# Allegro board C000PD020-3399PRO-DMEB-A-A01.brd (continued)
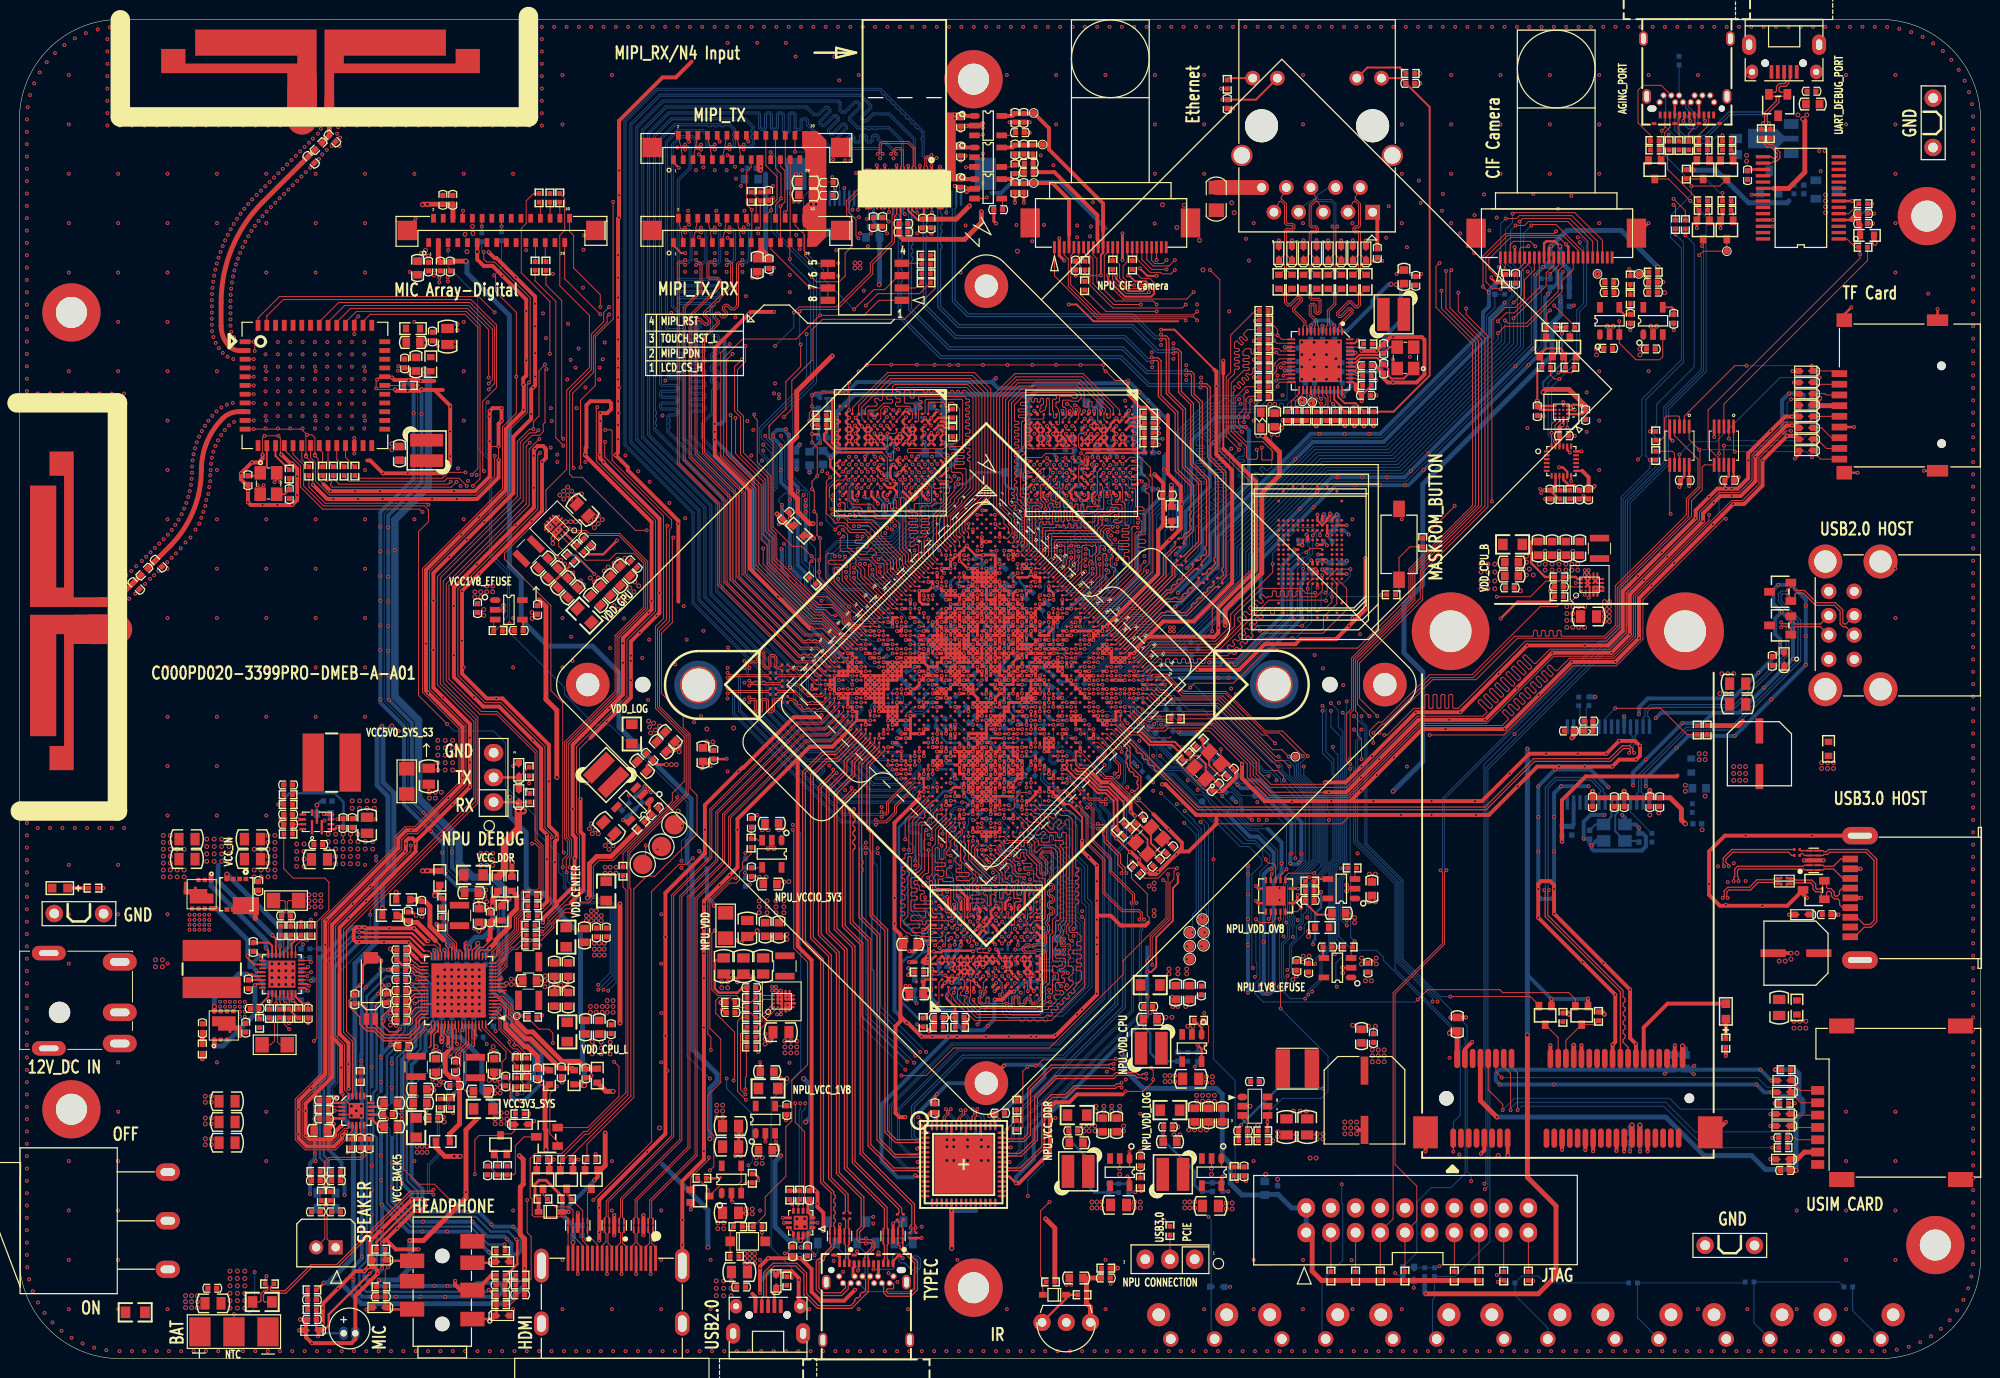
[diagram p0: board, top side]
## Routing (per net, layer and track width the routed paths; a pad name or vN(x,y) marks a point on that pad's centre or on a via; arc(x,y) is an arc through that point) (continued)
VCC_BUCK5_P: length 11.4
  TOP w0.102: C2125.1 40.52,27.33 v1(40.87,26.99)
  TOP w0.152: U?.59 44.84,33.97 44.93,33.87 44.93,32.5 v1(45.03,32.4)
  BOTTOM w0.102: v1(45.03,32.4) 44.86,32.57 44.02,32.57 43.56,32.12 43.56,30.29 42.6,29.32 41.78,29.32 40.87,28.41 v1(40.87,26.99)
VCC_BUCK5_S3: length 30.6
  TOP w0.152: U?.22 46.59,41.97 47.17,42.56 v2(47.17,42.73) ; v1(43.74,42.05) 43.74,41.97 43.79,41.92 U?.30
  TOP w0.508: R2272.1 63.64,54.43 60.88,51.67 59.41,51.67 58.65,50.91 58.65,47.61 v2(58.45,47.41)
  POWER2 w0.508: v2(58.45,47.41) 58.14,47.71 52.25,47.71 51.64,48.32 49.81,48.32 49.3,47.81 49.3,44.16 48.18,43.04 47.47,43.04 v2(47.17,42.73)
  BOTTOM w0.508: v2(47.17,42.73) 47.17,41.58 C2103.1 ; v1(43.74,42.05) 44.02,41.77 C2111.1
  vias: v2(40.92,21.83) v2(40.92,21.22) v2(41.43,21.83) v2(41.43,21.22) v2(41.94,21.83) v2(41.94,21.22) v2(75.82,20.69) v2(75.82,20.08) v2(76.43,20.69) v2(76.43,20.08) v2(132.82,20.64) v2(133.43,20.64) v2(138.91,47) v2(139.52,47)
VCC_CHARGE: length 3.7
  TOP w0.102: R2011.1 26.82,32.29 26.54,32.57 26.54,34.85 R2014.1
VCC_CPVDD: length 2.2
  TOP w0.152: C2135.1 39.92,40.19 40.52,40.19 40.92,39.79 41.07,39.79 41.23,39.63 41.69,39.63 U?.38
VCC_CPVSS: length 2.5
  TOP w0.152: U?.35 41.37,40.68 40.92,41.13 40.92,41.13
  TOP w0.381: C2136.1 40.01,42.05 40.92,41.13
VCC_DDR_P: length 9.8
  TOP w0.102: U?.26 45.19,41.74 44.98,41.95 44.98,42.76 44.07,43.67 44.07,45.83 43.87,46.04 43.87,46.97 R2112.2 43.71,47.37 43.87,47.53 43.87,49.87 44.07,50.07
VCC_DDR_S3: length 131.2
  TOP w0.102: U3600.H5 109.95,94.76 ; U3600.H3 109.96,96.43 109.95,96.43 ; U3600.D5 112.56,94.83 112.56,94.83 ; U3601.G2 90.26,96.56 U3601.H3 ; U3601.L5 88.31,94.89 v1(87.99,95.21) ; U3600.G5 110.6,94.76 ; U3600.D4 112.56,95.63 112.56,95.63 ; 111.25,97.16 U3600.F2 ; 109.95,93.96 U3600.H6
  TOP w0.201: v1(89.28,88.34) 89.21,88.34 88.82,88.73 88.82,89.07 U3601.K12 ; 105.36,89.11 105.36,88.61 105.7,88.27 v1(105.74,88.27)
  TOP w0.203: U3600.C12 113.25,89.11 113.25,88.58 v1(112.91,88.24)
  TOP w0.254: v1(112.88,95.96) 112.56,95.63 112.56,95.48 v1(112.88,95.16) 112.56,94.83 112.56,94.68 v1(112.88,94.36) 112.7,94.18 112.7,94.1 U3600.D6 ; v1(108.42,94.22) 108.42,94.27 108.66,94.51 U3600.K5 108.66,94.83 v1(108.33,95.16) 108.33,95.08 U3600.L5 ; v1(108.42,94.22) 108.42,94.19 U3600.K6 ; v1(108.42,94.22) 108.35,94.22 108.01,94.56 U3600.L5 ; 89.86,89.61 89.36,89.61 U3601.K11 ; 89.86,89.61 U3601.H11 ; 89.86,89.61 90.26,89.22 U3601.H12 90.26,88.79 v1(90.21,88.74) ; U3601.F2 91.28,97.49 v1(91.28,97.61) 91.24,97.61 90.91,97.29 U3601.G2 ; v1(89.94,94.41) 89.61,94.09 U3601.J6 ; v1(89.94,94.41) 90.26,94.09 U3601.H6 90.59,94.34 v1(90.59,94.41) ; v1(89.94,94.41) 89.61,94.74 U3601.J5 ; v1(89.94,94.41) 90.26,94.73 U3601.H5 ; U3601.K8 88.96,92.42 v1(88.62,92.76) ; U3600.A9 114.88,91.55 v1(114.89,91.54) ; v1(86.17,88.29) 85.97,88.29 85.71,88.54 U3601.R12 ; U1000.J14 v1(101.33,77.63) ; v1(101.33,77.63) U1000.J13 ; v1(101.33,77.63) U1000.K13 ; U3600.J5 109.31,94.61 109.54,94.37 109.54,94.35 ; U3601.A11 95.39,90.01 v1(95.43,89.97) ; U3601.H5 v1(90.6,95.15) 90.91,94.84 U3601.G5 90.91,94.73 v1(90.59,94.41) ; U3601.H5 90.59,94.49 v1(90.59,94.41) ; U3601.L5 88.31,94.74 v1(88.64,94.41) ; U3601.L5 88.61,95.11 v1(88.61,95.18) 88.66,95.18 88.96,94.89 U3601.K5 88.96,94.73 v1(88.64,94.41) ; U3601.L5 87.99,95.14 v1(87.99,95.21) ; 109.95,96.43 v1(110.28,96.76) ; 109.54,94.29 109.62,94.29 109.95,93.96 109.95,94.08 v1(110.26,94.39) ; 109.54,94.29 109.54,94.35 ; 109.54,94.29 109.31,94.06 U3600.J6 ; U3601.U8 84.09,92.09 v1(84.09,92.01) 84.41,91.69 U3601.U9 ; v1(92.46,92.82) 92.21,92.58 U3601.E8 ; U3600.E8 111.91,92.54 v1(111.68,92.76) ; U3601.L12 88.31,88.73 v1(88.32,88.73) ; U3600.L2 108.01,97.45 v1(108.06,97.5) ; v1(110.26,94.39) 110.6,94.73 110.6,94.76 ; v1(110.26,94.39) 109.95,94.69 109.95,94.76 ; v1(109.67,91.74) 109.86,91.55 U3600.H9 ; v1(109.67,91.74) 109.91,91.98 109.91,92.3 U3600.H8 109.96,92.68 v1(109.91,92.73) ; v1(109.67,91.74) 109.48,91.55 U3600.J9 ; v1(110.93,95.16) 110.93,95.08 110.6,94.76 ; v1(111.31,97.55) 111.25,97.51 111.25,97.16 ; 87.98,96.88 v1(87.98,96.82) ; 87.98,96.88 87.98,96.89 U3601.M2 ; 87.98,96.88 U3601.L2 ; v1(89.98,90.28) 89.61,90.65 U3601.J10 U3601.J9 89.61,91.68 v1(89.93,92) 90.26,91.67 U3601.H9 ; 109.95,94.76 109.95,94.83 v1(110.28,95.16) 110.28,95.08 110.6,94.76 ; 109.95,94.76 109.92,94.76 109.54,94.38 109.54,94.35 ; v1(88.64,94.41) 88.96,94.09 U3601.K6 ; R3605.1 117.23,95.26 v1(117.27,95.21) ; 103.75,92.35 103.75,91.92 U3600.U9 ; 103.75,92.35 v1(103.74,92.36) ; 103.75,92.35 U3600.U8 ; U3601.C12 v1(93.51,88.9) ; U3600.L5 107.68,95.08 v1(107.68,95.17) ; v1(115.04,90.02) 114.97,89.95 U3600.A11 ; v1(109.58,94.35) 109.54,94.35 ; U3600.G2 110.61,97.47 v1(110.59,97.49) ; v1(107.33,97.53) 107.35,97.51 107.35,97.49 107.36,97.48 U3600.M2 ; U3600.N12 106.71,88.6 v1(106.73,88.57) ; v1(93.13,94.3) 92.86,94.03 U3601.D6 ; U3601.A8 95,92.22 95.23,92.22 ; v1(110.57,88.07) 110.39,88.25 110.39,88.93 U3600.G12 ; 95.23,92.22 95.02,92.01 95.02,91.88 94.81,91.67 U3601.A9 ; 95.23,92.22 95.23,92.22 v1(95.25,92.22) ; v1(108.69,88.32) 108.66,88.34 108.47,88.34 108.23,88.59 108.23,88.93 U3600.L12 108.66,89.8 U3600.K11 ; U3600.A8 114.89,92.35 v1(114.89,92.36) ; U3601.N8 87.01,92.8 v1(87.02,92.81) ; U3601.N12 87.01,88.79 v1(86.92,88.7) ; U3600.K12 108.66,88.98 109.25,88.4 v1(109.25,88.32) 109.27,88.29 109.73,88.29 110.01,88.58 110.01,89.1 U3600.H12 ; v1(85.98,96.01) 85.98,95.97 86.35,95.61 U3601.P4 86.36,95.53 v1(86.04,95.21) 86.36,94.89 U3601.P5 86.36,94.73 v1(86.04,94.41) 86.04,94.34 U3601.P6 ; U3600.N8 v1(106.71,92.74) ; U3600.K8 108.66,92.4 v1(108.34,92.71) ; U3600.R12 105.41,89.15 105.36,89.11 ; v1(111.95,88.72) 111.91,88.77 U3600.E12 ; v1(83.95,89.67) 84.29,90.01 U3601.U11 ; U3600.P6 106.03,93.96 v1(105.79,94.19) 105.79,94.24 106.06,94.5 U3600.P5 106.06,94.83 v1(105.73,95.16) 106.06,95.48 U3600.P4 105.73,95.88 v1(105.73,95.96) ; U3601.D5 92.86,94.89 93.15,95.18 v1(93.15,95.25) 92.86,95.54 U3601.D4 92.86,95.69 v1(93.19,96.01) ; U3600.J10 109.31,90.67 v1(109.6,90.38) 109.96,90.02 U3600.H11 ; R3607.1 v1(81.66,97.08) ; U3601.G12 91.75,88.37 v1(91.89,88.37) 92.04,88.37 92.37,88.7 92.37,89.06 U3601.E12 ; U3600.U11 v1(103.65,89.5)
  TOP w0.305: U1000.M9 v1(98.11,79) U1000.L9 ; U1000.M9 v1(98.11,78.09) ; U1000.M9 v1(97.65,78.54) U1000.N9 ; U1000.J11 v1(100.87,79) U1000.J12 ; U1000.J11 100.41,79 v1(99.95,79) U1000.K11 ; U1000.J11 v1(100.41,79.46) ; v1(98.11,78.09) U1000.N9 ; v1(98.11,78.09) U1000.N10 ; U1000.J15 v1(102.25,77.63) U1000.J14 ; U1000.J15 v1(101.79,77.17) ; U1000.J15 102.71,77.17 v1(102.71,77.17) U1000.J16 ; U1000.N9 v1(97.19,78.09) U1000.P9 v1(97.19,77.17) ; v1(96.27,76.25) U1000.T9 ; v1(96.27,76.25) U1000.U9 ; v1(96.27,76.25) U1000.U10 ; U1000.T9 v1(95.82,76.71) U1000.U9 ; U1000.T9 v1(96.27,77.17) 96.28,77.17 U1000.R9 v1(97.19,77.17) ; v1(94.9,75.79) U1000.V9 95.36,76.19 95.41,76.25 U1000.U9 ; U1000.J17 v1(103.17,76.71) U1000.J16 ; U1000.J17 v1(102.71,76.25) ; U1000.J17 v1(103.63,76.25) U1000.J18 ; U1000.J12 v1(100.87,78.09) ; U1000.J12 101.33,78.54 U1000.J13 ; U3601.H11 89.99,90.28 v1(89.98,90.28) ; v1(90.57,92) 90.57,92.11 U3601.H8 90.54,92.69 v1(90.55,92.69) ; v1(102.71,76.25) U1000.J16 ; v1(102.71,76.25) U1000.K17 ; U1000.L9 98.57,79 v1(99.03,79) U1000.L10 ; U1000.L9 v1(98.57,79.46) ; U1000.K13 v1(100.87,78.09) ; v1(100.87,78.09) U1000.J13 ; v1(97.19,77.17) U1000.R10 ; U1000.J13 v1(101.79,78.09) U1000.J14 ; v1(101.79,77.17) U1000.J14 ; v1(101.79,77.17) U1000.K15
  BOTTOM w0.254: C3627.1 88.98,88.06 v1(88.32,88.73) ; C3631.1 89.93,92 v1(89.93,92) ; R1200.1 98.13,81.51 98.37,81.75 98.98,81.75 C1209.1 ; 109.36,92.2 C3637.1 C3636.1 108.56,92.49 v1(108.34,92.71) 108.55,92.92 C3635.1 ; 109.36,92.2 109.38,92.2 v1(109.91,92.73) ; 109.36,92.2 109.67,91.89 v1(109.67,91.74) ; C3640.1 88.8,92.59 v1(88.62,92.76) ; C3602.1 110.55,96.48 v1(110.28,96.76) ; 105.73,94.71 105.73,95.15 v1(105.73,95.16) ; 105.73,94.71 105.73,94.25 v1(105.79,94.19) ; 105.73,94.71 105.72,94.69 C3604.1 ; C1211.1 100.72,81.91 v1(100.87,81.76) ; v1(86.04,95.21) 86.42,94.83 C3619.1 86.42,94.79 v1(86.04,94.41) ; 112.54,95.62 112.43,95.51 C3605.1 ; 112.54,95.62 v1(112.88,95.96) ; 112.54,95.62 112.54,95.5 v1(112.88,95.16) ; v1(117.63,94.65) 117.42,94.65 117.4,94.67 117.04,94.67 116.79,94.42 116.79,94.38 R3604.1 ; v1(87.02,92.81) 87.31,93.11 C3638.1 ; v1(103.65,89.5) 103.65,89.5 C3632.1 ; C3603.1 112.75,94.49 v1(112.88,94.36) ; C3616.1 90.82,95.37 v1(90.6,95.15) ; v1(89.94,94.41) 89.99,94.36 C3617.1 ; C3641.1 106.5,92.94 v1(106.71,92.74) ; C3630.1 91.9,88.38 v1(91.89,88.37) ; C3620.1 109.34,88.22 v1(109.25,88.32) ; v1(110.57,88.07) 110.95,87.69 C3639.1 ; v1(89.28,88.34) 89.58,88.04 C3607.1 89.94,88.47 v1(90.21,88.74) ; C1201.1 v1(117.17,89.47) ; v1(86.92,88.7) 87.12,88.5 C3629.1 ; C3633.1 95.74,89.66 v1(95.43,89.97) ; C3606.1 107.33,97.37 v1(107.33,97.53) ; v1(93.15,95.25) 93.15,94.96 C3618.1 92.82,94.61 v1(93.13,94.3) 93.2,94.23 C3626.1 92.81,93.17 v1(92.46,92.82) ; C3615.1 92.24,97.8 C3613.1 ; C3628.1 109.29,90.69 v1(109.6,90.38) ; v1(108.42,94.22) 108.37,94.26 C3601.1 ; C3642.1 v1(117.27,93.22)
  BOTTOM w0.305: R3606.1 C3643.1 82.39,94.58 v1(82.39,94.19) 82.18,94.19 C1200.1
  BOTTOM w0.381: C3613.1 92.06,97.61 v1(91.28,97.61) ; C3614.1 87.65,97.34 87.65,97.13 87.96,96.82 v1(87.98,96.82) ; v1(110.59,97.49) 110.59,97.78 C3600.1 111.26,98.26 111.26,97.6 v1(111.31,97.55)
  BOTTOM w0.406: C1209.1 99.17,81.73 v1(99.49,82.05) ; v1(112.19,92.76) 112.27,92.84 C3634.1 112.94,92.92 v1(112.94,92.77) ; R1201.1 101.38,81.25 v1(100.87,81.76)
  vias: v2(47.47,51.98) v2(47.47,51.37) v2(47.47,50.76) v2(48.08,51.98) v2(48.08,51.37) v2(48.08,50.76) v2(48.69,51.98) v2(48.69,51.37) v2(48.69,50.76)
VCC_IN: length 48.3
  TOP w0.203: U2003.22 26.41,41.96 26.38,41.98 26.38,43.2 v1(26.04,43.55)
  S1 w0.102: v1(26.04,43.55) 26.14,43.44 26.75,43.44 28.88,41.31 28.88,36.64 26.95,34.71 26.95,33.89 27.36,33.49 28.07,33.49 28.27,33.69 32.03,33.69 32.84,32.88 41.97,32.88 43.49,34.4 46.98,34.4 48.08,33.3 v1(48.08,32.37)
  BOTTOM w0.102: R2122.1 47.72,32.84 48.08,32.47 v1(48.08,32.37)
  BOTTOM w0.508: v1(26.04,43.55) 20.45,49.13 20.45,50.76
  vias: v2(19.28,53.45) v2(19.28,52.69) v2(19.28,51.93) v2(19.28,51.17) v2(20.04,53.45) v2(20.04,52.69) v2(20.04,51.93) v2(20.04,51.17) v2(20.8,53.45) v2(20.8,52.69) v2(20.8,51.93) v2(20.8,51.17) v2(21.56,53.45) v2(21.56,52.69) v2(21.56,51.93) v2(21.56,51.17) v2(28.52,52.94) v2(28.52,52.18) v2(28.52,51.42) v2(28.52,50.66) v2(29.29,52.94) v2(29.29,52.18) v2(29.29,51.42) v2(29.29,50.66) v2(131.09,25.46) v2(131.8,25.46) v2(132.41,25.46)
VCC_LAN: length 53.6
  TOP w0.203: U6500.44 137.28,103.28 v1(137.49,103.49) 137.3,103.68 U6500.45 ; U6500.21 v1(130.19,101.68) ; U6500.15 v1(130.2,104.08) ; C6506.1 138.11,99.14 R6528.1 ; U6500.6 v1(134.08,106.28) ; 137.49,100.24 137.25,100.48 U6500.37 ; v1(123.63,130.68) R6509.1 ; v1(137.59,102.08) U6500.41
  TOP w0.406: v1(138.11,98.51) C6506.1 137.49,99.74 137.49,100.24 ; v1(137.59,102.08) 138.12,102.08 C6507.1
  TOP w0.508: v1(130.02,96.54) R6532.1 R6533.1 R6534.1 ; R6523.1 R6526.1 R6516.1 v1(136.39,96) ; R6514.1 v1(138.35,95.97)
  POWER2 w0.203: v1(123.63,130.68) 124.28,130.02 124.28,113.55 130.2,107.63 v1(130.2,104.08)
  BOTTOM w0.406: C6511.1 130.21,101.66 v1(130.19,101.68) ; v1(130.2,104.08) 130.28,104 C6510.1 ; v1(134.08,106.28) 134.09,106.28 C6509.1
  BOTTOM w0.508: v1(127.23,98.36) 127.59,98.72 R6531.1 R6530.1 R6527.1 R6521.1 R6518.1 R6525.1 R6529.1 R6512.1
  vias: v2(128.65,98.21) v2(129.16,98.21)
VCC_RTC_S5: length 32.1
  TOP w0.152: 40.22,36.19 40.22,36.7 40.7,37.18 U?.45
  TOP w0.381: 40.22,36.19 v1(40.22,36.17) 39.9,35.85 C2128.2
  POWER1 w0.381: v2(30.61,56.96) 30.81,56.75 32.44,56.75 32.89,56.3 33.29,56.3 34.16,55.43 35.69,55.43 37.62,53.5 37.62,49.34 36.8,48.52 36.8,44.66 38.84,42.63 38.84,37.55 v1(40.22,36.17)
  BOTTOM w0.254: R2004.1 30.59,56.94 v2(30.61,56.96) 31.01,57.36 C2011.1
VCC_RTC_S5_P: length 1.5
  TOP w0.254: v1(31.32,56.04) 31.38,55.98 U2000.6
  BOTTOM w0.254: R2004.2 v1(31.32,56.04)
VCCA3V3_HUB: length 18.3
  TOP w0.406: v1(161.87,58.38) C2806.1 ; v1(165.13,58.38) C2807.1
  TOP w0.508: v1(161.87,58.38) C2806.1 C2810.1 C2807.1 ; v2(171.42,55.03) 171.02,55.43 171.02,56.55 169.86,57.71 C2808.1 C2809.1 ; C2809.1 v1(167.77,58.48) ; C2809.1 C2807.1 ; C2807.1 v1(165.13,58.38)
  BOTTOM w0.406: U2800.10 v1(161.87,58.38) ; U2800.5 v1(165.13,58.38) ; v1(167.77,58.48) 167.73,58.44 U2800.1
VCCIO_3V0_S0: length 169.3
  TOP w0.254: v1(31.32,7.78) 30.61,7.07 R7007.1
  TOP w0.305: v1(54.99,20.48) R8203.1 54.52,20.28 Q8201.1 ; v1(57.53,20.48) R8201.1 56.96,20.28 Q8200.1 ; U1000.AC9 v1(92.6,73.49) ; v1(59.3,21.03) R8205.1
  TOP w0.508: R7011.1 v1(51.97,9.31) 51.97,12.33 51.54,12.76 51.54,17.64 51.84,17.94 51.84,20.48 v1(51.44,20.89) ; v2(54.18,21.5) 54.18,23.53 54.08,23.63 54.08,27.76 R2110.2
  GND2 w0.381: 92.28,73.42 92.35,73.49 v1(92.6,73.49)
  GND2 w0.508: 78.36,67.42 78.05,67.12 78.05,66.1 77.44,65.49 v1(69.42,65.49)
  S1 w0.254: v1(59.3,21.03) 58.08,21.03 v1(57.53,20.48) 56.98,21.03 55.54,21.03 v1(54.99,20.48)
  S1 w0.508: v1(51.44,20.89) 53.57,20.89 v2(54.18,21.5) 54.99,20.69 v1(54.99,20.48) ; v1(69.42,65.49) 68.71,64.78 68.71,62.34 68.2,61.83 57.42,61.83 52.44,66.81 39.04,66.81 v1(37.31,65.09)
  BOTTOM w0.254: v1(92.6,73.49) 92.57,73.47 C1502.1
  BOTTOM w0.508: v1(31.32,7.78) 31.72,7.78 ; 31.72,7.78 34.37,10.42 34.37,23.73 33.45,24.65 33.45,26.27 34.52,27.34 34.52,40.65 36.7,42.84 36.7,49.24 37.92,50.46 37.92,57.87 36.8,58.99 36.8,64.58 v1(37.31,65.09) ; 31.72,7.78 33.05,7.78 35.18,5.65 50.11,5.65 51.97,7.51 v1(51.97,9.31)
VCCIO_3V0_S0_P: length 9.6
  TOP w0.152: 50.06,34.43 49.86,34.63 49.86,34.99 49.07,35.78 48.69,35.78 U?.3
  TOP w0.508: R2110.1 54.4,29.8 C2116.1 53.31,31.07 52.3,32.09 51.99,32.09 50.06,34.02 50.06,34.43
VCCIO_3V3_S0: length 378.5
  TOP w0.203: R9430.1 R9428.1 159.14,106.04 158.72,105.62 v1(158.72,105.47)
  TOP w0.254: C7510.1 31.83,24.71 U7500.5 ; C9005.1 160.82,97.19 159.54,97.19 159.5,97.23 U9001.B1 ; 160.86,97.8 160.5,98.16 159.84,98.16 159.71,98.03 U9001.D1 ; U7500.12 C7512.1
  TOP w0.305: U1000.J23 v1(106.39,73.49)
  TOP w0.406: v1(37.82,24.65) 37.47,25 C7512.1 ; C7510.1 32.31,24.14 v1(32.33,24.14) 31.73,23.54 C7513.1
  TOP w0.508: J7500.3 43.11,113.02 C7503.2 C7505.1 44.42,112.92 v2(45.95,112.92) ; R2115.2 42.84,21.74 43.76,20.81 v2(44.73,20.81) v2(45.34,20.81) ; v2(156.79,99.43) 157.1,99.73 159.44,99.73 161.16,98 C9005.1 ; 128.09,94.85 129.67,93.28 129.67,90.89 127.84,89.06 127.84,80.83 124.08,77.07 v1(124.08,75.45)
  POWER1 w0.508: v1(124.49,107.76) 124.49,95.57 125.3,94.75 127.23,94.75 v2(127.43,94.96) v2(127.94,94.96) 128.14,94.96 128.85,94.24 148.26,94.24 153.44,99.43 v2(156.79,99.43)
  POWER2 w0.508: v1(124.08,75.45) 124.08,73.92 123.27,73.11 116.05,73.11 113.11,76.06 110.36,76.06 ; v1(124.49,107.76) 124.49,107.81 120.98,111.31 120.98,112.84 119.86,113.96 v2(102.69,113.96)
  S1 w0.406: v1(37.82,24.65) 37.49,24.65 37.29,24.45 32.64,24.45 v1(32.33,24.14)
  S1 w0.508: v1(37.82,24.65) 37.82,25.66 38.33,26.17 41.38,26.17 41.68,26.48 44.53,26.48 45.49,25.51 45.49,21.75 44.73,20.99 v2(44.73,20.81) v2(45.34,20.81) 46.63,22.11 56.11,22.11 56.41,21.8 60.38,21.8 61.39,22.82 70.84,22.82 v2(71.04,22.62) ; 76.63,110.5 v1(76.63,113.09) v1(76.63,113.55) ; 76.63,110.5 v2(88.47,110.5) 91.92,113.96 v2(102.69,113.96) ; 76.63,110.5 67.08,110.5 64.76,112.82 46.05,112.82 v2(45.95,112.92)
  BOTTOM w0.203: v2(156.79,99.43) 156.79,100.49 158.72,102.42 v1(158.72,105.47)
  BOTTOM w0.254: v1(106.39,73.49) 106.39,74.77 C1903.1
  BOTTOM w0.305: J5000.19 87.89,117.02 88.36,116.55
  BOTTOM w0.406: v1(76.63,113.09) v1(76.63,113.55)
  BOTTOM w0.508: v2(44.73,20.81) v2(45.34,20.81) ; 76.78,121.88 76.78,113.7 v1(76.63,113.55) ; v2(88.47,110.5) 88.51,110.54 C5002.1 88.36,115.53 C5003.1 88.36,116.55 ; v2(71.04,22.62) 71.04,27.8 71.8,28.56 71.8,29.28 69.22,31.86 69.22,50.56 68.71,51.06 68.71,53.2 69.11,53.6 69.11,57.57 61.7,64.98 61.7,70.57 58.95,73.32 54.38,73.32 51.64,76.06 51.64,80.33 50.42,81.54 50.42,107.35 46.05,111.72 46.05,112.82 v2(45.95,112.92) ; v2(127.94,94.96) v2(127.43,94.96)
  vias: v1(76.28,122.69) v1(76.28,122.29)
VCCIO_3V3_S0_P: length 13.8
  TOP w0.152: 44.56,33.83 44.49,33.91 U?.58
  TOP w0.229: 44.56,33.83 44.56,33.55 44.55,33.54 44.55,31.99 44.17,31.61 44.12,31.61
  TOP w0.508: R2115.1 44.24,22.38 44.24,23.1 45.29,24.14 45.29,27.99 C2121.1 45.18,28.71 44.94,28.95 44.36,28.95 43.82,29.5 43.82,31.3 44.12,31.61
VCCIO_SD_S0: length 334.7
  TOP w0.305: U1000.T23 v1(103.17,70.27)
  TOP w0.508: J9710.1 133.02,12.36 133.02,9 133.98,8.04 R9728.1 R9729.1 R9730.1 R9731.1 R9732.1 R9733.1 ; v2(58.14,28.1) 57.84,28.1 57.72,28.22 R2111.2 ; v2(190.93,114.77) 190.84,114.86 R9702.1
  POWER2 w0.508: v2(58.14,28.1) 58.27,28.23 72.34,28.23 75.41,25.16 77.24,25.16 78.77,23.63 93.5,23.63 94.11,24.24 99.8,24.24 100.2,23.84 101.02,23.84 102.13,24.95 102.95,24.95 109.65,31.66 113.11,31.66 v2(113.41,31.35) 114.22,31.35 116.46,33.59 141.86,33.59 142.47,34.2 150.5,34.2 157.81,41.51 162.89,41.51 181.08,59.7 181.08,69.83 178.64,72.27 178.64,86.56 183.62,91.53 183.62,105.52 190.93,112.84 v2(190.93,114.77)
  GND2 w0.508: 87.91,61.43 86.28,61.43 84.15,59.29 73.99,59.29 v1(72.87,60.41) ; v1(103.17,70.27) 103.05,70.27 103.05,70.27
  S1 w0.508: v1(72.87,60.41) 72.26,59.8 65.56,59.8 64.74,60.62 52.15,60.62 50.47,58.94 v2(50.47,57.77)
  BOTTOM w0.305: v1(103.17,70.27) 103.06,70.38 103.06,70.44
  BOTTOM w0.508: J9710.1 J9710.2 130.9,15.5 129.52,16.88 C9730.1 128.19,16.88 C9731.1 125.8,16.84 124.59,18.04 124.59,20.08 123.77,20.89 123.77,27.19 123.16,27.8 115.65,27.8 113.72,29.73 113.72,31.05 v2(113.41,31.35) ; v2(58.14,28.1) 58.14,30.24 57.94,30.44 57.94,34.61 57.73,34.81 57.73,43.62 55.8,45.55 55.8,45.98 53.87,47.92 52.76,47.92 52.15,48.52 52.15,54.11 50.47,55.79 v2(50.47,57.77)
VCCIO_SD_S0_P: length 11.8
  TOP w0.152: 50.67,34.28 50.67,34.73 50.04,35.37 50.04,35.93 49.48,36.48 48.69,36.48 U?.5
  TOP w0.508: 50.67,34.28 52.04,32.9 52.61,32.9 55.61,29.9 C2119.1 55.8,29.86 56.88,29.86 R2111.1
VDD10_EPHY: length 34.9
  TOP w0.203: U6500.9 v1(132.88,106.3) ; v1(136.27,99.02) 136.08,99.21 U6500.36 ; U6500.3 v1(135.28,106.31) ; U6500.28 v1(132.88,99.08) ; U6500.40 137.47,101.68 v1(137.59,101.56)
  BOTTOM w0.406: v2(141.15,110.55) 141,110.55 140.94,110.5 140.84,110.5 139.22,108.88 139.22,108.37 136.62,105.77 C6518.1 135.31,106.28 v1(135.28,106.31) 134.76,106.83 133.41,106.83 v1(132.88,106.3) 132.87,106.28 C6517.1 ; C6515.1 136.12,99.17 v1(136.27,99.02) ; C6515.1 136.43,99.48 136.97,100.03 C6519.1 v1(137.59,101.56) 139.83,101.56 140.44,102.17 140.44,105.12 142.16,106.84 142.16,109.99 141.71,110.45 141.71,110.5 v2(141.67,110.5) ; C6515.1 C6516.1 132.88,99.09 v1(132.88,99.08)
VDD_CENTER_P: length 0.5
  BOTTOM w0.305: C2156.1 v1(53.57,42.53)
VDD_CENTER_S0: length 81.4
  TOP w0.102: v1(56.92,45.88) 56.11,45.88 54.99,44.77 54.99,44.36 53.67,43.04 v1(52.55,43.04) 52.35,43.04 52.15,42.84 R2150.2 51.66,42.56 51.23,42.12 50.72,42.12 50.17,41.57 50.17,40.32 49.13,39.28 U?.13
  TOP w0.305: v1(99.03,77.17) U1000.N12 v1(99.03,76.25) U1000.P13 v1(99.49,75.79) U1000.P14 v1(99.95,75.33) U1000.P15 ; v1(99.03,77.17) U1000.M12 ; v1(99.03,77.17) U1000.M11 ; v1(99.03,77.17) U1000.N11 98.57,77.63 v1(98.57,77.63) U1000.M11 ; U1000.M11 v1(99.49,77.63) U1000.M12 ; U1000.M11 v1(99.03,78.09) ; U1000.M12 v1(99.95,77.17) U1000.M13 v1(100.41,76.71) U1000.M14 v1(100.87,76.25) U1000.M15
  POWER1 w0.089: 85.59,74.56 86,74.56 87.2,75.75 88.62,75.75 89.54,76.67 92.28,76.67 94.31,74.64
  POWER1 w0.102: v1(56.92,45.88) 57.12,46.09 57.12,50.86 61.44,55.18 61.44,57.72 63.73,60.01 67.08,60.01 68.91,61.83 68.91,65.7 69.72,66.51 70.03,66.51 72.36,68.84 72.36,71.08 75.84,74.56 85.59,74.56
  BOTTOM w0.102: v1(52.55,43.04) 52.35,43.04 52.2,42.89 C2156.2
  vias: v2(58.34,45.58) v2(58.34,45.07) v2(58.85,46.09) v2(58.85,45.58) v2(58.85,45.07) v2(59.36,46.09) v2(59.36,45.58) v2(59.36,45.07) v2(59.87,45.58) v2(59.87,45.07)
VDD_CPU_B_FB: length 73
  TOP w0.102: v1(152.02,78.4) 155.47,78.4 157.1,80.02 158.46,80.02 R2203.1
  TOP w0.254: U2200.A4 160.36,80.21 160.14,80.43 v1(159.44,80.43) R2203.1
  TOP w0.305: U1000.N18 v1(101.79,74.41)
  POWER1 w0.089: 110.16,77.79 107.46,77.79 107.44,77.76 107.17,77.76 107.16,77.78 106.56,77.78 106.54,77.75 106.27,77.75 106.25,77.76 105.67,77.76 104.47,76.57 104.41,76.57 103.8,75.96 103.8,75.96 103.76,75.92 103.49,75.92 103.32,76.1 103.32,76.1 103.3,76.11 103.03,76.11 102.88,75.96 102.88,75.96 102.38,75.46 102.35,75.46 102.11,75.23 102.11,75.19 101.92,75 101.89,75 101.79,74.9 v1(101.79,74.41)
  POWER1 w0.102: 110.16,77.79 119.3,77.79 121.44,79.92 137.49,79.92 142.06,84.49 151.61,84.49 153.14,82.97 153.14,78.6 152.83,78.29 152.12,78.29 v1(152.02,78.4)
  BOTTOM w0.305: v1(159.44,80.43) 158.87,80.43 C2260.1
VDD_CPU_B_P: length 6
  TOP w0.254: R2203.2 v1(157.51,80.43) 156.99,80.43 155.58,81.85 155.58,84.08 155.78,84.29
  BOTTOM w0.305: v1(157.51,80.43) 157.97,80.43 C2260.2
VDD_CPU_B_S0: length 15.6
  TOP w0.305: v1(105.47,72.57) U1000.L23 v1(104.55,72.57) U1000.M22 ; U1000.L18 102.71,74.87 v1(102.25,74.87) U1000.M18 v1(102.71,74.41) ; U1000.L18 v1(103.17,74.87) ; U1000.L18 v1(102.71,75.33) ; U1000.L18 v1(102.71,74.41) ; U1000.M19 v1(102.71,74.41) ; U1000.M19 v1(103.17,73.95) ; U1000.M19 v1(102.71,73.49) ; v1(102.71,74.41) U1000.L19 ; v1(103.17,74.87) U1000.K19 v1(103.63,75.33) ; v1(103.17,74.87) U1000.L19 ; 103.17,73.02 103.18,73.03 U1000.M21 ; 103.17,73.02 102.72,73.02 U1000.N20 v1(102.71,73.49) ; 103.17,73.02 U1000.M20 ; U1000.L21 103.63,73.49 ; U1000.L21 v1(104.09,73.03) ; U1000.L21 v1(104.55,73.49) U1000.K21 v1(105.01,73.95) ; 103.63,73.49 U1000.M20 ; 103.63,73.49 U1000.M21 ; v1(103.17,73.95) U1000.L19 ; v1(103.17,73.95) U1000.M20 ; v1(104.09,73.03) U1000.M21 ; v1(104.09,73.03) U1000.M22 ; v1(102.71,73.49) U1000.M20 ; U1000.M22 v1(103.63,72.57) U1000.N22
  vias: v2(150.39,81.75) v2(150.39,80.94) v2(150.39,80.02) v2(150.39,79.21) v2(151.1,81.75) v2(151.1,80.94) v2(151.1,80.02) v2(151.1,79.21) v2(151.82,81.75) v2(151.82,80.94) v2(151.82,80.02) v2(151.82,79.21)
VDD_CPU_L_P: length 0.6
  BOTTOM w0.102: C2155.1 53.57,35.11 v1(53.77,35.32)
VDD_CPU_L_S0: length 101.4
  TOP w0.102: v1(54.89,32.47) 54.89,33.49 54.48,33.89 53.47,33.89 52.36,35 R2151.2 51.92,35.14 v1(51.84,35.22) 51.41,35.65 50.98,35.65 50.77,35.85 50.77,36.26 49.76,37.27 49.35,37.27 49.09,37.53 48.69,37.53 U?.8
  TOP w0.305: U1000.P22 103.17,71.65 v1(103.17,71.19) U1000.R22 v1(102.71,70.73) U1000.T22 ; v1(101.79,72.57) U1000.P20 v1(102.25,73.03) ; v1(101.79,72.57) U1000.R19 ; v1(101.79,72.57) U1000.R20 v1(101.33,72.11) ; U1000.R19 v1(101.33,72.11) ; U1000.R19 v1(100.87,72.57) ; U1000.R19 v1(101.33,73.03) ; v1(101.33,72.11) U1000.T20
  POWER1 w0.089: v1(102.25,73.03) 102.71,73.03 103.56,72.18 104.87,70.87 105.09,70.87 105.28,70.67 105.28,70.45 105.33,70.41 105.33,70.14 105.28,70.09 105.28,70.09 105.14,69.95 105.14,69.68 105.28,69.54 105.28,69.54 105.33,69.49 105.33,68.3 105.28,68.25 105.28,68.25 105.14,68.11 105.14,67.84 105.28,67.7 105.28,67.7 105.33,67.65 105.33,67.38 105.28,67.33 105.28,67.33 105.14,67.19 105.14,66.92 105.28,66.78 105.28,66.78 105.33,66.73 105.33,66.46 104.41,65.54 103.76,64.89 103.76,64.89 103.3,64.43 103.04,64.43 102.84,64.62 102.57,64.62 102.33,64.37 102.17,64.37 101.92,64.62 101.66,64.62 101.46,64.43 101.2,64.43 101.01,64.62 100.74,64.62 100.1,63.99 99.82,63.99 99.54,64.27 98.58,64.27 97.26,65.59 94.51,65.59 92.79,63.87 92.63,63.87 90.16,61.41 89.25,60.49
  POWER1 w0.102: 89.25,60.49 87.4,58.64 87.4,58.38 86.08,57.06 85.37,57.06 84.96,56.65 84.96,55.94 82.73,53.71 82.73,51.98 79.17,48.42 73.89,48.42 70.84,45.38 70.84,35.82 65.15,30.14 58.34,30.14 56.01,32.47 v1(54.89,32.47)
  BOTTOM w0.102: C2155.2 51.94,35.11 v1(51.84,35.22)
  BOTTOM w0.254: 101.16,71.07 101.16,71.32 101.63,71.8 C1007.1 101.56,71.88 v1(101.33,72.11)
  vias: v2(58.95,32.57) v2(58.95,31.96) v2(58.95,31.35) v2(59.87,32.57) v2(59.87,31.96) v2(59.87,31.35) v2(60.78,32.57) v2(60.78,31.96) v2(60.78,31.35)
VDD_DDR0_CLK: length 2.2
  TOP w0.254: v1(96.75,79.46) 96.75,79.46 U1000.M7
  BOTTOM w0.254: 96.44,79.77 96.59,79.92 97.1,79.92 R1200.2 ; 96.44,79.77 v1(96.75,79.46) ; 96.44,79.77 C1210.1
VDD_DDR1_CLK: length 1.9
  TOP w0.305: U1000.G12 v1(102.24,79.46)
  BOTTOM w0.254: R1201.2 102.12,80.25 C1212.1 102.55,79.77 v1(102.24,79.46)
VDD_GPU_FB: length 58.6
  TOP w0.102: U2201.A4 55.48,83.59 R2205.1 57.21,82.68 v1(59.16,80.73)
  TOP w0.305: U1000.T15 v1(99.03,74.41)
  POWER2 w0.089: 91.57,80.53 93.65,78.44 93.65,78.41 94.38,77.68 95.42,77.68 95.68,77.95 96.05,77.95 96.41,77.59 96.41,77.49 96.6,77.3 96.87,77.3 97.35,77.79 97.36,77.79 97.52,77.95 97.79,77.95 97.95,77.79 97.95,77.79 97.98,77.76 98.07,77.76 98.25,77.58 98.25,77.49 98.44,77.3 98.53,77.3 98.71,77.12 98.71,77.03 98.9,76.84 98.99,76.84 99.17,76.66 99.17,76.57 99.36,76.38 99.45,76.38 99.59,76.24 99.59,76.14 99.82,75.92 99.82,75.65 99.36,75.19 99.03,74.87 v1(99.03,74.41)
  POWER2 w0.102: v1(59.16,80.73) 59.26,80.73 59.36,80.83 59.77,80.83 59.97,80.63 63.12,80.63 66.47,83.98 75.31,83.98 75.82,84.49 81.1,84.49 82.22,83.37 88.72,83.37 91.57,80.53
  BOTTOM w0.254: v1(59.16,80.73) 57.21,82.68 R2205.1
